# KiCad board panel.kicad_pcb (continued)
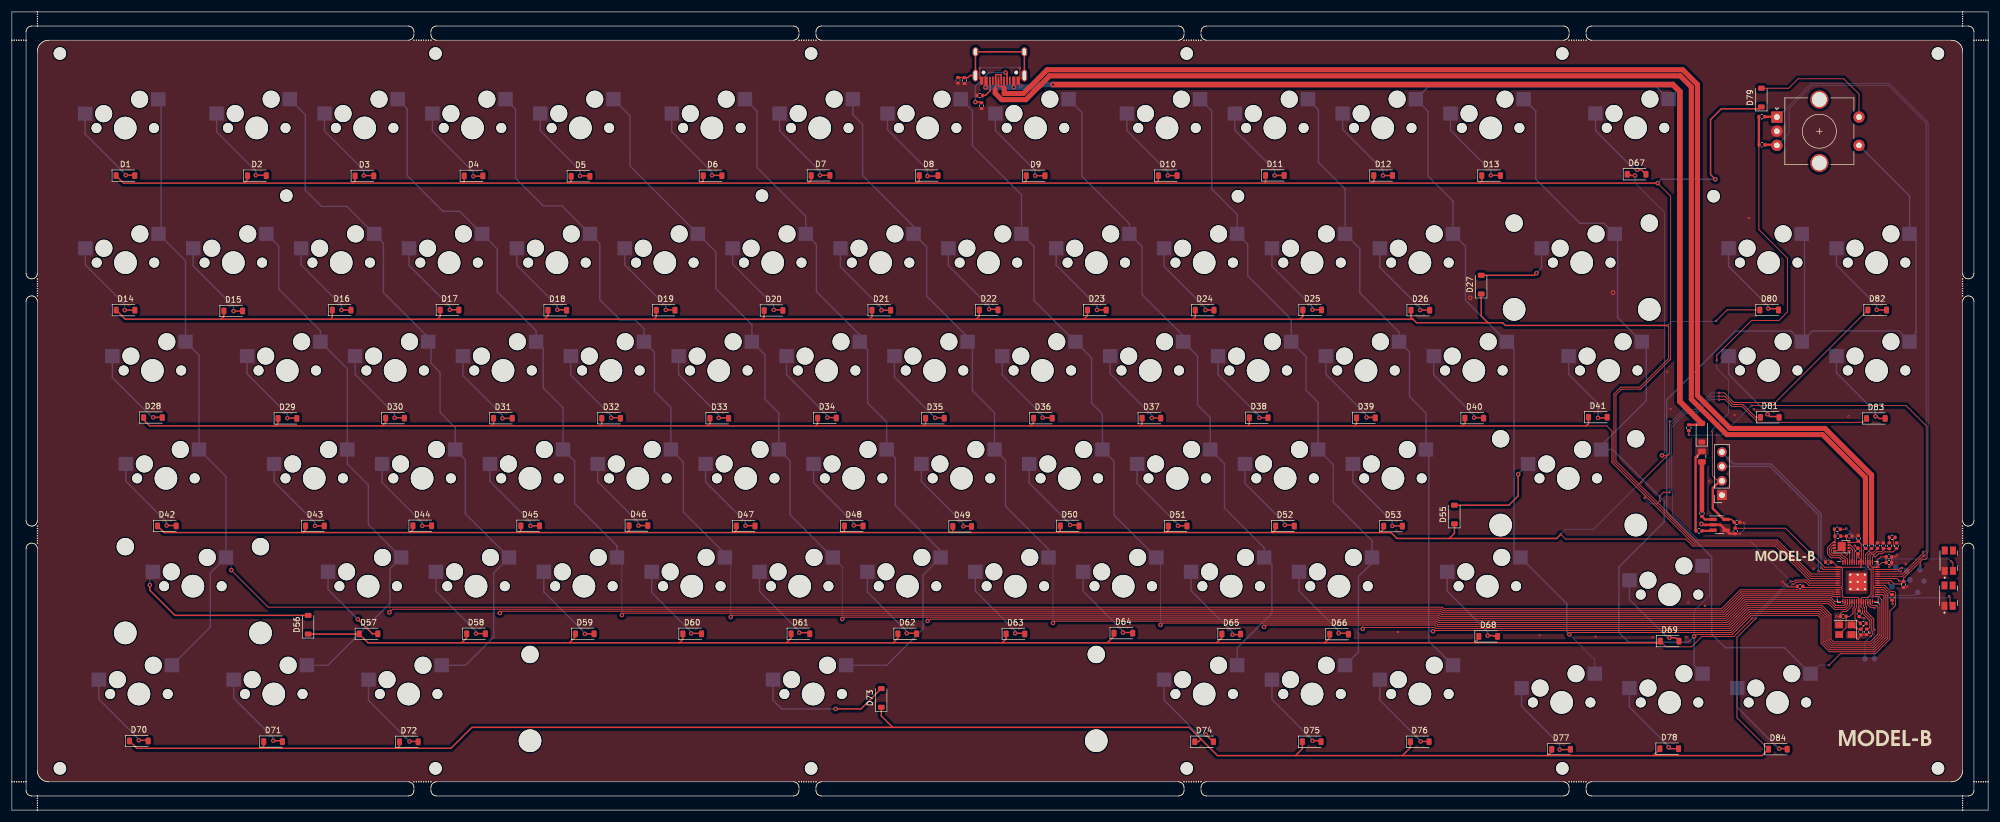
[diagram p0: board, top side]
## Routing (per net, layer and track width the routed paths; a pad name or vN(x,y) marks a point on that pad's centre or on a via; arc(x,y) is an arc through that point) (continued)
Board_0-GND: length 45
  Top w0.15: 326.44,34.05 326.87,34.05 v1(327.07,33.85) ; v1(312.67,40.38) 313.65,39.4 315.2,39.4 C18.2 ; v1(322.2,34.22) 322.95,34.22 322.95,34.7 323.36,35.11 323.98,35.11 324.94,36.06 324.94,36.86 324.94,36.87 U3.19 ; v1(325.97,30.2) 326.52,30.75 C3.2 327.54,30.99 C8.2 327.85,31.3 v1(328.15,31.3) ; C6.2 305.81,50.86 v1(305.94,50.72) ; v1(177.97,131.13) 178.02,131.07 178.02,129.17 USB1.1 ; v1(332.87,44.97) 332.63,44.74 C12.2 331.97,44.74 C13.2 331.97,43.43 v1(331.53,42.98) ; v1(305.16,48.81) 304.36,48.81 C5.2 ; v1(170.92,131.03) 170.94,131.01 170.94,129.17 USB1.12 ; v1(324.02,45.16) 323.14,46.03 U1.9 322.39,45.8 U1.4 ; v1(325.45,46.72) 326.03,46.15 326.03,46.09 ; 332.05,37.09 332.12,37.01 v1(332.12,36.38)
  Top w0.4: C5.2 303.33,48.83 U2.4 301.76,50.4 U2.2 298.5,50.4 v2(298.37,50.54)
  Bottom w0.15: v1(305.94,50.72) 305.94,49.59 v1(305.16,48.81) ; v1(170.92,131.03) 171.01,131.13 v1(177.97,131.13) 178.03,131.07 ; v1(327.07,33.85) 327.15,33.77 327.71,33.77 328.15,33.33 v1(328.15,31.3) 328.21,31.35
  vias: v1(244.76,31.46) v1(269.8,30.87) v1(279.69,30.63) v1(289.75,30.53) v1(292.32,77.46) v1(292.93,70.85) v1(295.72,30.57) v1(296.05,36.7) v1(299,36.08) v1(299.69,58.06) v1(304.23,69.78) v1(306.73,104.58) v1(307.61,70.81) v1(318.19,42.66) v1(324.34,69.56) v1(334.44,43.51) v1(334.71,39.51) v2(257.54,90.52) v2(282.77,91.43)
Board_0-Net-(C3-Pad1): length 3.4
  Top w0.15: R5.1 327.48,32.97 326.52,32.01 C3.1 326.05,31.95 325.84,32.16 325.45,32.16 Y1.1
Board_0-Net-(D1-A): length 15.4
  Top w0.25: 21.62,112.08 21.54,112.16 v2(20.12,112.16)
  Bottom w0.25: v2(20.12,112.16) 20.12,112.24 12.93,119.43 SW1.1
Board_0-Net-(D2-A): length 15.5
  Top w0.25: v2(43.06,112.15) 44.74,112.15 44.81,112.07
  Bottom w0.25: SW2.1 36.16,119.82 43.06,112.92 v2(43.06,112.15)
Board_0-Net-(D3-A): length 15.5
  Top w0.25: v2(62.14,112.09) 63.78,112.09 63.84,112.03
  Bottom w0.25: v2(62.14,112.09) 62.14,113.02 55.21,119.94 SW3.1
Board_0-Net-(D4-A): length 15.8
  Top w0.25: v2(81.49,111.97) 83.12,111.97 83.19,112.04
  Bottom w0.25: v2(81.49,111.97) 81.49,112.71 74.26,119.95 SW4.1
Board_0-Net-(D5-A): length 15.7
  Top w0.25: v2(100.35,112.04) 102.02,112.04 102.09,111.96
  Bottom w0.25: SW5.1 93.31,120 100.35,112.96 v2(100.35,112.04)
Board_0-Net-(D6-A): length 15.6
  Top w0.25: v2(123.64,112.12) 125.27,112.12 125.33,112.06
  Bottom w0.25: v2(123.64,112.12) 123.64,112.72 116.53,119.83 SW6.1
Board_0-Net-(D7-A): length 15.6
  Top w0.25: v2(142.69,112.13) 144.36,112.13 144.39,112.11
  Bottom w0.25: SW7.1 135.58,119.99 142.69,112.88 v2(142.69,112.13)
Board_0-Net-(D8-A): length 15.8
  Top w0.25: v2(161.7,111.99) 163.4,111.99 163.5,112.09
  Bottom w0.25: SW8.1 154.63,120.21 161.7,113.14 v2(161.7,111.99)
Board_0-Net-(D9-A): length 15.5
  Top w0.25: v2(180.71,112.06) 182.28,112.06 182.29,112.06
  Bottom w0.25: v2(180.71,112.06) 180.71,113 173.68,120.03 SW9.1
Board_0-Net-(D10-A): length 15.5
  Top w0.25: v2(204.13,112.09) 205.67,112.09 205.68,112.08
  Bottom w0.25: SW10.1 196.91,120.03 204.13,112.81 v2(204.13,112.09)
Board_0-Net-(D11-A): length 15.5
  Top w0.25: v2(222.99,112.11) 224.59,112.11 224.6,112.11
  Bottom w0.25: v2(222.99,112.11) 222.99,113.09 215.96,120.12 SW11.1
Board_0-Net-(D12-A): length 15.3
  Top w0.25: v2(242.14,112.09) 243.55,112.09 243.55,112.1
  Bottom w0.25: SW12.1 235.01,120.21 242.14,113.09 v2(242.14,112.09)
Board_0-Net-(D13-A): length 15.3
  Top w0.25: 262.57,112.08 262.53,112.12 v2(261.17,112.12)
  Bottom w0.25: SW13.1 254.06,120.08 261.17,112.96 v2(261.17,112.12)
Board_0-Net-(D14-A): length 15.5
  Top w0.25: 21.61,88.32 21.6,88.31 v2(19.9,88.31)
  Bottom w0.25: 12.97,99.25 12.97,96.3 19.9,89.37 v2(19.9,88.31)
Board_0-Net-(D15-A): length 15.6
  Top w0.25: v2(39.14,88.15) 40.64,88.15 40.67,88.18
  Bottom w0.25: v2(39.14,88.15) 39.14,88.98 32.02,96.1 32.02,99.25
Board_0-Net-(D16-A): length 15.5
  Top w0.25: 59.86,88.33 v2(58.21,88.33)
  Bottom w0.25: 51.07,99.25 51.07,96.33 58.21,89.19 v2(58.21,88.33)
Board_0-Net-(D17-A): length 15.4
  Top w0.25: 78.89,88.34 78.85,88.38 v2(77.34,88.38)
  Bottom w0.25: v2(77.34,88.38) 77.34,89 70.12,96.22 70.12,99.25
Board_0-Net-(D18-A): length 15.4
  Top w0.25: 97.9,88.3 97.82,88.38 v2(96.32,88.38)
  Bottom w0.25: 89.17,99.25 89.17,96.25 96.32,89.11 v2(96.32,88.38)
Board_0-Net-(D19-A): length 15.4
  Top w0.25: v2(115.49,88.36) 116.93,88.36 116.98,88.31
  Bottom w0.25: 108.22,99.25 108.22,96.33 115.49,89.07 v2(115.49,88.36)
Board_0-Net-(D20-A): length 15.5
  Top w0.25: v2(134.53,88.36) 135.96,88.36 136.06,88.26
  Bottom w0.25: 127.27,99.25 127.27,96.43 134.53,89.17 v2(134.53,88.36)
Board_0-Net-(D21-A): length 15.5
  Top w0.25: v2(153.56,88.29) 155.09,88.29 155.1,88.3
  Bottom w0.25: v2(153.56,88.29) 153.56,88.71 146.32,95.94 146.32,99.25
Board_0-Net-(D22-A): length 15.3
  Top w0.25: 174.09,88.35 173.98,88.46 v2(172.58,88.46)
  Bottom w0.25: v2(172.58,88.46) 172.58,89 165.37,96.21 165.37,99.25
Board_0-Net-(D23-A): length 15.4
  Top w0.25: v2(191.62,88.36) 193.08,88.36 193.11,88.33
  Bottom w0.25: 184.42,99.25 184.42,96.26 191.62,89.06 v2(191.62,88.36)
Board_0-Net-(D24-A): length 15.3
  Top w0.25: 212.13,88.31 212.11,88.33 v2(210.77,88.33)
  Bottom w0.25: 203.47,99.25 203.47,96.03 210.77,88.73 v2(210.77,88.33)
Board_0-Net-(D25-A): length 15.5
  Top w0.25: v2(229.67,88.39) 231.25,88.39 231.29,88.35
  Bottom w0.25: 222.52,99.25 222.52,96.07 229.67,88.92 v2(229.67,88.39)
Board_0-Net-(D26-A): length 15.5
  Top w0.25: 250.34,88.31 250.33,88.32 v2(248.69,88.32)
  Bottom w0.25: v2(248.69,88.32) 248.69,88.74 241.57,95.86 241.57,99.25
Board_0-Net-(D27-A): length 14.7
  Top w0.25: v2(269.25,94.86) 268.87,94.47 D27.2
  Bottom w0.25: v2(269.25,94.86) 270.15,95.75 270.15,99.25
Board_0-Net-(D28-A): length 15.5
  Top w0.25: v2(24.96,69.38) 26.52,69.38 D28.2
  Bottom w0.25: v2(24.96,69.38) 24.76,69.38 17.73,76.4 SW28.1
Board_0-Net-(D29-A): length 15.5
  Top w0.25: 50.23,69.19 50.18,69.24 v2(48.64,69.24)
  Bottom w0.25: SW29.1 41.55,77.05 48.64,69.96 v2(48.64,69.24)
Board_0-Net-(D30-A): length 15.5
  Top w0.25: 69.31,69.24 69.24,69.31 v2(67.58,69.31)
  Bottom w0.25: SW30.1 60.6,76.97 67.58,69.98 v2(67.58,69.31)
Board_0-Net-(D31-A): length 15.6
  Top w0.25: D31.2 88.35,69.2 v2(86.63,69.2)
  Bottom w0.25: SW31.1 79.65,76.75 86.63,69.77 v2(86.63,69.2)
Board_0-Net-(D32-A): length 15.5
  Top w0.25: v2(105.84,69.32) 107.37,69.32 D32.2
  Bottom w0.25: v2(105.84,69.32) 105.84,69.69 98.7,76.83 SW32.1
Board_0-Net-(D33-A): length 15.6
  Top w0.25: D33.2 126.5,69.28 v2(124.81,69.28)
  Bottom w0.25: v2(124.81,69.28) 124.81,69.86 117.75,76.92 SW33.1
Board_0-Net-(D34-A): length 15.5
  Top w0.25: 145.59,69.27 145.52,69.34 v2(143.99,69.34)
  Bottom w0.25: SW34.1 136.8,76.91 143.99,69.71 v2(143.99,69.34)
Board_0-Net-(D35-A): length 15.5
  Top w0.25: v2(163.05,69.29) 164.57,69.29 D35.2
  Bottom w0.25: SW35.1 155.85,76.5 163.05,69.3 v2(163.05,69.29)
Board_0-Net-(D36-A): length 15.6
  Top w0.25: D36.2 183.63,69.32 v2(182.03,69.32)
  Bottom w0.25: SW36.1 174.9,76.84 182.03,69.71 v2(182.03,69.32)
Board_0-Net-(D37-A): length 15.6
  Top w0.25: v2(201.32,69.27) 202.86,69.27 D37.2
  Bottom w0.25: v2(201.32,69.27) 201.32,69.76 193.95,77.13 SW37.1
Board_0-Net-(D38-A): length 15.4
  Top w0.25: D38.2 221.83,69.31 v2(220.31,69.31)
  Bottom w0.25: SW38.1 213,76.91 220.31,69.6 v2(220.31,69.31)
Board_0-Net-(D39-A): length 15.4
  Top w0.25: D39.2 240.69,69.37 v2(239.23,69.37)
  Bottom w0.25: v2(239.23,69.37) 239.23,69.78 232.05,76.97 SW39.1
Board_0-Net-(D40-A): length 15.5
  Top w0.25: v2(258.24,69.33) 259.81,69.33 D40.2
  Bottom w0.25: SW40.1 251.1,76.87 258.24,69.73 v2(258.24,69.33)
Board_0-Net-(D41-A): length 14.7
  Top w0.25: 281.73,69.26 281.71,69.28 v2(280.12,69.28)
  Bottom w0.25: SW41.1 274.91,76.99 280.12,71.78 v2(280.12,69.28)
Board_0-Net-(D42-A): length 15.6
  Top w0.25: D42.2 28.94,50.28 v2(27.33,50.28)
  Bottom w0.25: SW42.1 20.12,58.09 27.33,50.88 v2(27.33,50.28)
Board_0-Net-(D43-A): length 15.6
  Top w0.25: D43.2 55.16,50.2 v2(53.53,50.2)
  Bottom w0.25: v2(53.53,50.2) 53.53,50.78 46.31,58 SW43.1
Board_0-Net-(D44-A): length 15.5
  Top w0.25: D44.2 74.11,50.22 v2(72.46,50.22)
  Bottom w0.25: SW44.1 65.36,57.88 72.46,50.78 v2(72.46,50.22)
Board_0-Net-(D45-A): length 15.5
  Top w0.25: D45.2 93.17,50.22 v2(91.57,50.22)
  Bottom w0.25: SW45.1 84.41,58.1 91.57,50.94 v2(91.57,50.22)
Board_0-Net-(D46-A): length 15.5
  Top w0.25: v2(110.66,50.26) 112.29,50.26 D46.2
  Bottom w0.25: v2(110.66,50.26) 110.66,50.82 103.46,58.02 SW46.1
Board_0-Net-(D47-A): length 15.5
  Top w0.25: v2(129.55,50.24) 131.17,50.24 D47.2
  Bottom w0.25: v2(129.55,50.24) 129.55,50.91 122.51,57.95 SW47.1
Board_0-Net-(D48-A): length 15.5
  Top w0.25: D48.2 150.22,50.3 v2(148.68,50.3)
  Bottom w0.25: v2(148.68,50.3) 148.68,50.73 141.56,57.85 SW48.1
Board_0-Net-(D49-A): length 15.5
  Top w0.25: v2(168.03,50.13) 169.45,50.13 D49.2
  Bottom w0.25: v2(168.03,50.13) 168.03,50.63 160.61,58.05 SW49.1
Board_0-Net-(D50-A): length 15.4
  Top w0.25: D50.2 188.3,50.36 v2(186.88,50.36)
  Bottom w0.25: v2(186.88,50.36) 186.88,50.54 179.66,57.76 SW50.1
Board_0-Net-(D51-A): length 15.5
  Top w0.25: D51.2 207.48,50.22 v2(205.93,50.22)
  Bottom w0.25: v2(205.93,50.22) 205.93,50.45 198.71,57.68 SW51.1
Board_0-Net-(D52-A): length 15.5
  Top w0.25: v2(224.8,50.36) 226.3,50.36 D52.2
  Bottom w0.25: v2(224.8,50.36) 224.8,50.67 217.76,57.71 SW52.1
Board_0-Net-(D53-A): length 15.6
  Top w0.25: v2(243.77,50.21) 245.51,50.21 245.56,50.16
  Bottom w0.25: SW53.1 236.81,57.94 243.77,50.98 v2(243.77,50.21)
Board_0-Net-(D55-A): length 18.3
  Top w0.25: v2(266.01,59.31) 266.01,55.49 264.37,53.86 D55.2
  Bottom w0.25: SW55.1 266.01,59.39 v2(266.01,59.31)
Board_0-Net-(D56-A): length 33.3
  Top w0.25: v2(24.36,39.74) 24.36,38.83 28.79,34.4 D56.2
  Bottom w0.25: 24.88,42.1 24.36,41.58 v2(24.36,39.74)
Board_0-Net-(D57-A): length 15.2
  Top w0.25: v2(61.09,33.71) 63.67,31.13 D57.2
  Bottom w0.25: v2(61.09,33.71) 55.83,38.97 55.83,42.1
Board_0-Net-(D58-A): length 15.5
  Top w0.25: v2(81.96,31.19) 83.59,31.19 D58.2
  Bottom w0.25: v2(81.96,31.19) 81.96,31.61 74.88,38.69 74.88,42.1
Board_0-Net-(D59-A): length 15.6
  Top w0.25: v2(101.18,31.13) 102.8,31.13 D59.2
  Bottom w0.25: v2(101.18,31.13) 101.18,31.28 93.93,38.53 93.93,42.1
Board_0-Net-(D60-A): length 15.5
  Top w0.25: v2(119.95,31.22) 121.53,31.22 121.61,31.14
  Bottom w0.25: 112.98,42.1 112.98,38.44 119.95,31.47 v2(119.95,31.22)
Board_0-Net-(D61-A): length 15.6
  Top w0.25: v2(139.05,31.35) 140.69,31.35 D61.2
  Bottom w0.25: v2(139.05,31.35) 139.05,31.62 132.03,38.64 132.03,42.1
Board_0-Net-(D62-A): length 15.5
  Top w0.25: D62.2 159.67,31.24 v2(158.02,31.24)
  Bottom w0.25: v2(158.02,31.24) 158.02,31.6 151.08,38.53 151.08,42.1
Board_0-Net-(D63-A): length 15.5
  Top w0.25: v2(177.19,31.23) 178.72,31.23 178.83,31.12
  Bottom w0.25: v2(177.19,31.23) 177.19,31.68 170.13,38.73 170.13,42.1
Board_0-Net-(D64-A): length 15.3
  Top w0.25: v2(196.21,31.37) 197.65,31.37 197.8,31.22
  Bottom w0.25: 189.18,42.1 189.18,38.64 196.21,31.62 v2(196.21,31.37)
Board_0-Net-(D65-A): length 15.6
  Top w0.25: D65.2 216.86,30.99 v2(215.56,30.99)
  Bottom w0.25: v2(215.56,30.99) 215.56,31.44 208.23,38.76 208.23,42.1
Board_0-Net-(D66-A): length 15.6
  Top w0.25: v2(234.3,31.25) 235.86,31.25 D66.2
  Bottom w0.25: 227.28,42.1 227.28,38.72 234.3,31.7 v2(234.3,31.25)
Board_0-Net-(D67-A): length 15.5
  Top w0.25: 287.04,113.02 v2(287.04,113.11) 287.77,113.11 D67.2
  Bottom w0.25: 279.67,123.36 279.67,120.02 286.58,113.11 v2(287.04,113.11)
Board_0-Net-(D68-A): length 16
  Top w0.25: D68.2 261.79,30.69 261.65,30.83 v2(260.61,30.83)
  Bottom w0.25: 253.48,42.1 253.48,38.66 260.61,31.53 v2(260.61,30.83)
Board_0-Net-(D69-A): length 15.2
  Top w0.25: D69.2 293.82,30.43 v2(292.74,30.43)
  Bottom w0.25: SW69.1 285.65,37.21 292.43,30.43 v2(292.74,30.43)
Board_0-Net-(D70-A): length 15.3
  Top w0.25: v2(22.41,12.34) 23.93,12.34 D70.2
  Bottom w0.25: SW70.1 15.35,19.59 22.41,12.53 v2(22.41,12.34)
Board_0-Net-(D71-A): length 15.4
  Top w0.25: D71.2 47.62,12.26 v2(46.16,12.26)
  Bottom w0.25: SW71.1 39.16,19.79 46.16,12.8 v2(46.16,12.26)
Board_0-Net-(D72-A): length 15.5
  Top w0.25: v2(70.22,12.14) 71.68,12.14 71.75,12.06
  Bottom w0.25: SW72.1 62.98,19.38 v2(70.22,12.14)
Board_0-Net-(D73-A): length 24.9
  Top w0.25: D73.2 149.95,17.88 v2(145.47,17.88)
  Bottom w0.25: v2(145.47,17.88) 135.96,17.88 134.42,19.42 SW73.1
Board_0-Net-(D74-A): length 15.3
  Top w0.25: 212.11,12.08 210.88,13.31 v2(210.88,13.34)
  Bottom w0.25: SW74.1 203.47,19.41 209.54,13.34 v2(210.88,13.34)
Board_0-Net-(D75-A): length 15.4
  Top w0.25: 231.2,12.08 231.04,12.24 v2(229.68,12.24)
  Bottom w0.25: SW75.1 222.52,19.56 229.68,12.4 v2(229.68,12.24)
Board_0-Net-(D76-A): length 15.4
  Top w0.25: D76.2 250.23,12.12 v2(248.78,12.12)
  Bottom w0.25: SW76.1 241.57,19.43 248.78,12.23 v2(248.78,12.12)
Board_0-Net-(D77-A): length 15.9
  Top w0.25: v2(273.33,10.7) 275.18,10.7 D77.2
  Bottom w0.25: 266.6,21.87 266.6,18.32 273.33,11.6 v2(273.33,10.7)
Board_0-Net-(D78-A): length 15.5
  Top w0.25: D78.2 292.81,10.85 v2(292.58,11.09)
  Bottom w0.25: 285.65,21.87 285.65,18.2 292.58,11.27 v2(292.58,11.09)
Board_0-Net-(D80-A): length 15.6
  Top w0.25: v2(310.18,88.58) 311.81,88.58 312.06,88.33
  Bottom w0.25: SW80.1 303.17,96.05 310.18,89.04 v2(310.18,88.58)
Board_0-Net-(D81-A): length 15.4
  Top w0.25: D81.2 311.95,69.52 310.45,69.52 v2(310.06,69.92)
  Bottom w0.25: SW81.1 303.17,76.99 310.06,70.1 v2(310.06,69.92)
Board_0-Net-(D82-A): length 15.6
  Top w0.25: v2(329.32,88.38) 329.36,88.34 D82.2
  Bottom w0.25: SW82.1 322.22,96.26 329.32,89.16 v2(329.32,88.38)
Board_0-Net-(D83-A): length 15.4
  Top w0.25: v2(329.1,69.57) 329.37,69.57 329.76,69.18 330.83,69.18
  Bottom w0.25: SW83.1 322.22,77.22 329.1,70.34 v2(329.1,69.57)
Board_0-Net-(D84-A): length 15.6
  Top w0.25: v2(312.12,10.86) 313.42,10.86 D84.2
  Bottom w0.25: 304.7,21.87 304.7,18.16 312,10.86 v2(312.12,10.86)
Board_0-Net-(F1-Pad2): length 8.6
  Top w0.8: FB1.2 298.45,61.5
Board_0-Net-(U2-IN): length 2.2
  Top w0.4: U2.1 299.01,51.35 FB1.1
Board_0-Net-(U3-ADC_AVDD): length 8.2
  Top w0.15: R14.2 332.25,47.85 332.25,46.81 C11.1 332.22,45.61 330.64,45.61 330.31,45.28 329.65,45.28 329.23,44.86 328.78,44.86 328.56,44.64 U3.43
Board_0-Net-(U3-GPIO23): length 3
  Top w0.15: U3.35 331.4,40.11 v1(331.47,40.03)
  Bottom w0.15: v1(331.47,40.03) 332.04,39.46 332.17,39.46
Board_0-Net-(U3-GPIO25): length 6.1
  Top w0.15: U3.37 332.91,40.91 v1(333.34,40.48)
  Bottom w0.15: TP2.1 335.01,40.47 333.35,40.47 v1(333.34,40.48)
Board_0-Net-(U3-GPIO28_ADC2): length 5.4
  Top w0.15: U3.40 333.51,42.11 v1(333.59,42.18)
  Bottom w0.15: TP3.1 333.33,42.18 v1(333.59,42.18)
Board_0-Net-(U3-GPIO29_ADC3): length 5.6
  Top w0.15: v1(333.75,42.77) 333.5,42.77 333.24,42.51 U3.41
  Bottom w0.15: v1(333.75,42.77) 334.06,42.77 TP4.1
Board_0-Net-(U3-SWCLK): length 11.4
  Top w0.15: U3.24 326.96,35.99 327.16,35.79 327.16,34.93 328.45,33.64 328.45,31.67 328.63,31.49 328.63,31.06 v1(328.28,30.71)
  Bottom w0.15: TP5.1 327.27,29.7 v1(328.28,30.71)
Board_0-Net-(U3-SWD): length 10.8
  Top w0.15: v1(328.93,31.87) 328.8,32 328.8,33.78 327.51,35.07 327.51,35.94 327.34,36.11 327.34,36.85 U3.25
  Bottom w0.15: v1(328.93,31.87) 328.87,31.82 328.87,26.79 TP6.1
Board_0-Net-(U3-USB_DM): length 2.9
  Top w0.15: R16.1 327.36,45.16 U3.46
Board_0-Net-(U3-USB_DP): length 2.7
  Top w0.15: U3.47 326.96,45.84 R15.1
Board_0-Net-(USB1-CC1): length 11.8
  Top w0.25: v2(175.47,130.29) 175.73,130.02 USB1.4 ; R9.1 171.1,125.07 v2(170.15,125.07)
  Bottom w0.25: v2(170.15,125.07) 170.13,125.09 170.13,127.85 172.58,130.29 v2(175.47,130.29)
Board_0-Net-(USB1-CC2): length 3.3
  Top w0.25: USB1.10 172.73,127.05 171.94,126.26 171.56,126.26
Board_0-Net-(USB1-SHIELD): length 20.3
  Top w0.25: C4.1 168.22,129.4 R6.2 168.83,129.38 169.21,129.77 USB1.13 USB1.13 USB1.13 USB1.13
Board_0-VBUS: length 188.6
  Top w0.4: 176.97,128.99 176.95,129.01 ; 296.15,68.06 298.18,68.06 D54.2 298.61,68.14 ; v2(176.95,127.7) 176.95,128.83 ; 172.05,127.82 172.05,127.82 ; 172.03,128.85 172.03,127.66
  Top w1: v2(183.86,128.16) 293.32,128.16 294.56,126.92 294.56,72.19 D54.2
  Bottom w0.4: 176.93,127.82 176.97,127.86 ; v2(171.94,127.66) 171.94,127.66
  Bottom w1: v2(183.86,128.16) 180.94,128.16 180.47,127.7 v2(176.95,127.7) 171.97,127.7 v2(171.94,127.66)
Board_0-VSYS: length 14.6
  Top w0.4: R11.1 297.34,49.42 297.34,62.29 F1.1
Board_0-XIN: length 7.3
  Top w0.15: Y1.3 323.91,32.24 C2.2 324.56,34.22 325.14,34.79 325.14,35.63 325.36,35.85 U3.20
Board_0-XOUT: length 4.5
  Top w0.15: R5.2 326.36,32.98 325.49,33.85 325.49,35.48 325.74,35.73 325.74,36.87 325.74,36.87 U3.21

## Copper pours and planes (outline as drawn; the poured copper is in the pictures)
Board_0-GND on Top: 4.44,136.06 4.44,4.94 344.56,4.94 344.56,136.07 344.56,136.07 4.46,136.07
Board_0-GND on Bottom: 4.44,136.06 4.44,4.94 344.56,4.94 344.56,136.07 344.56,136.07 4.46,136.07
Board_0-VSYS on Top: 297.22,65.76 297.22,62.69 299.6,62.69 299.6,62.7 299.6,65.72 299.56,65.76 297.28,65.76

## Text on the board
B.Silkscreen: MODEL B - V1.0 / Brian Hill 2024 / https://github.com/TrojanPinata/Model-B
